# Altium PCB WUT-4-3-3.PcbDoc (part 2 of 4) (continued)
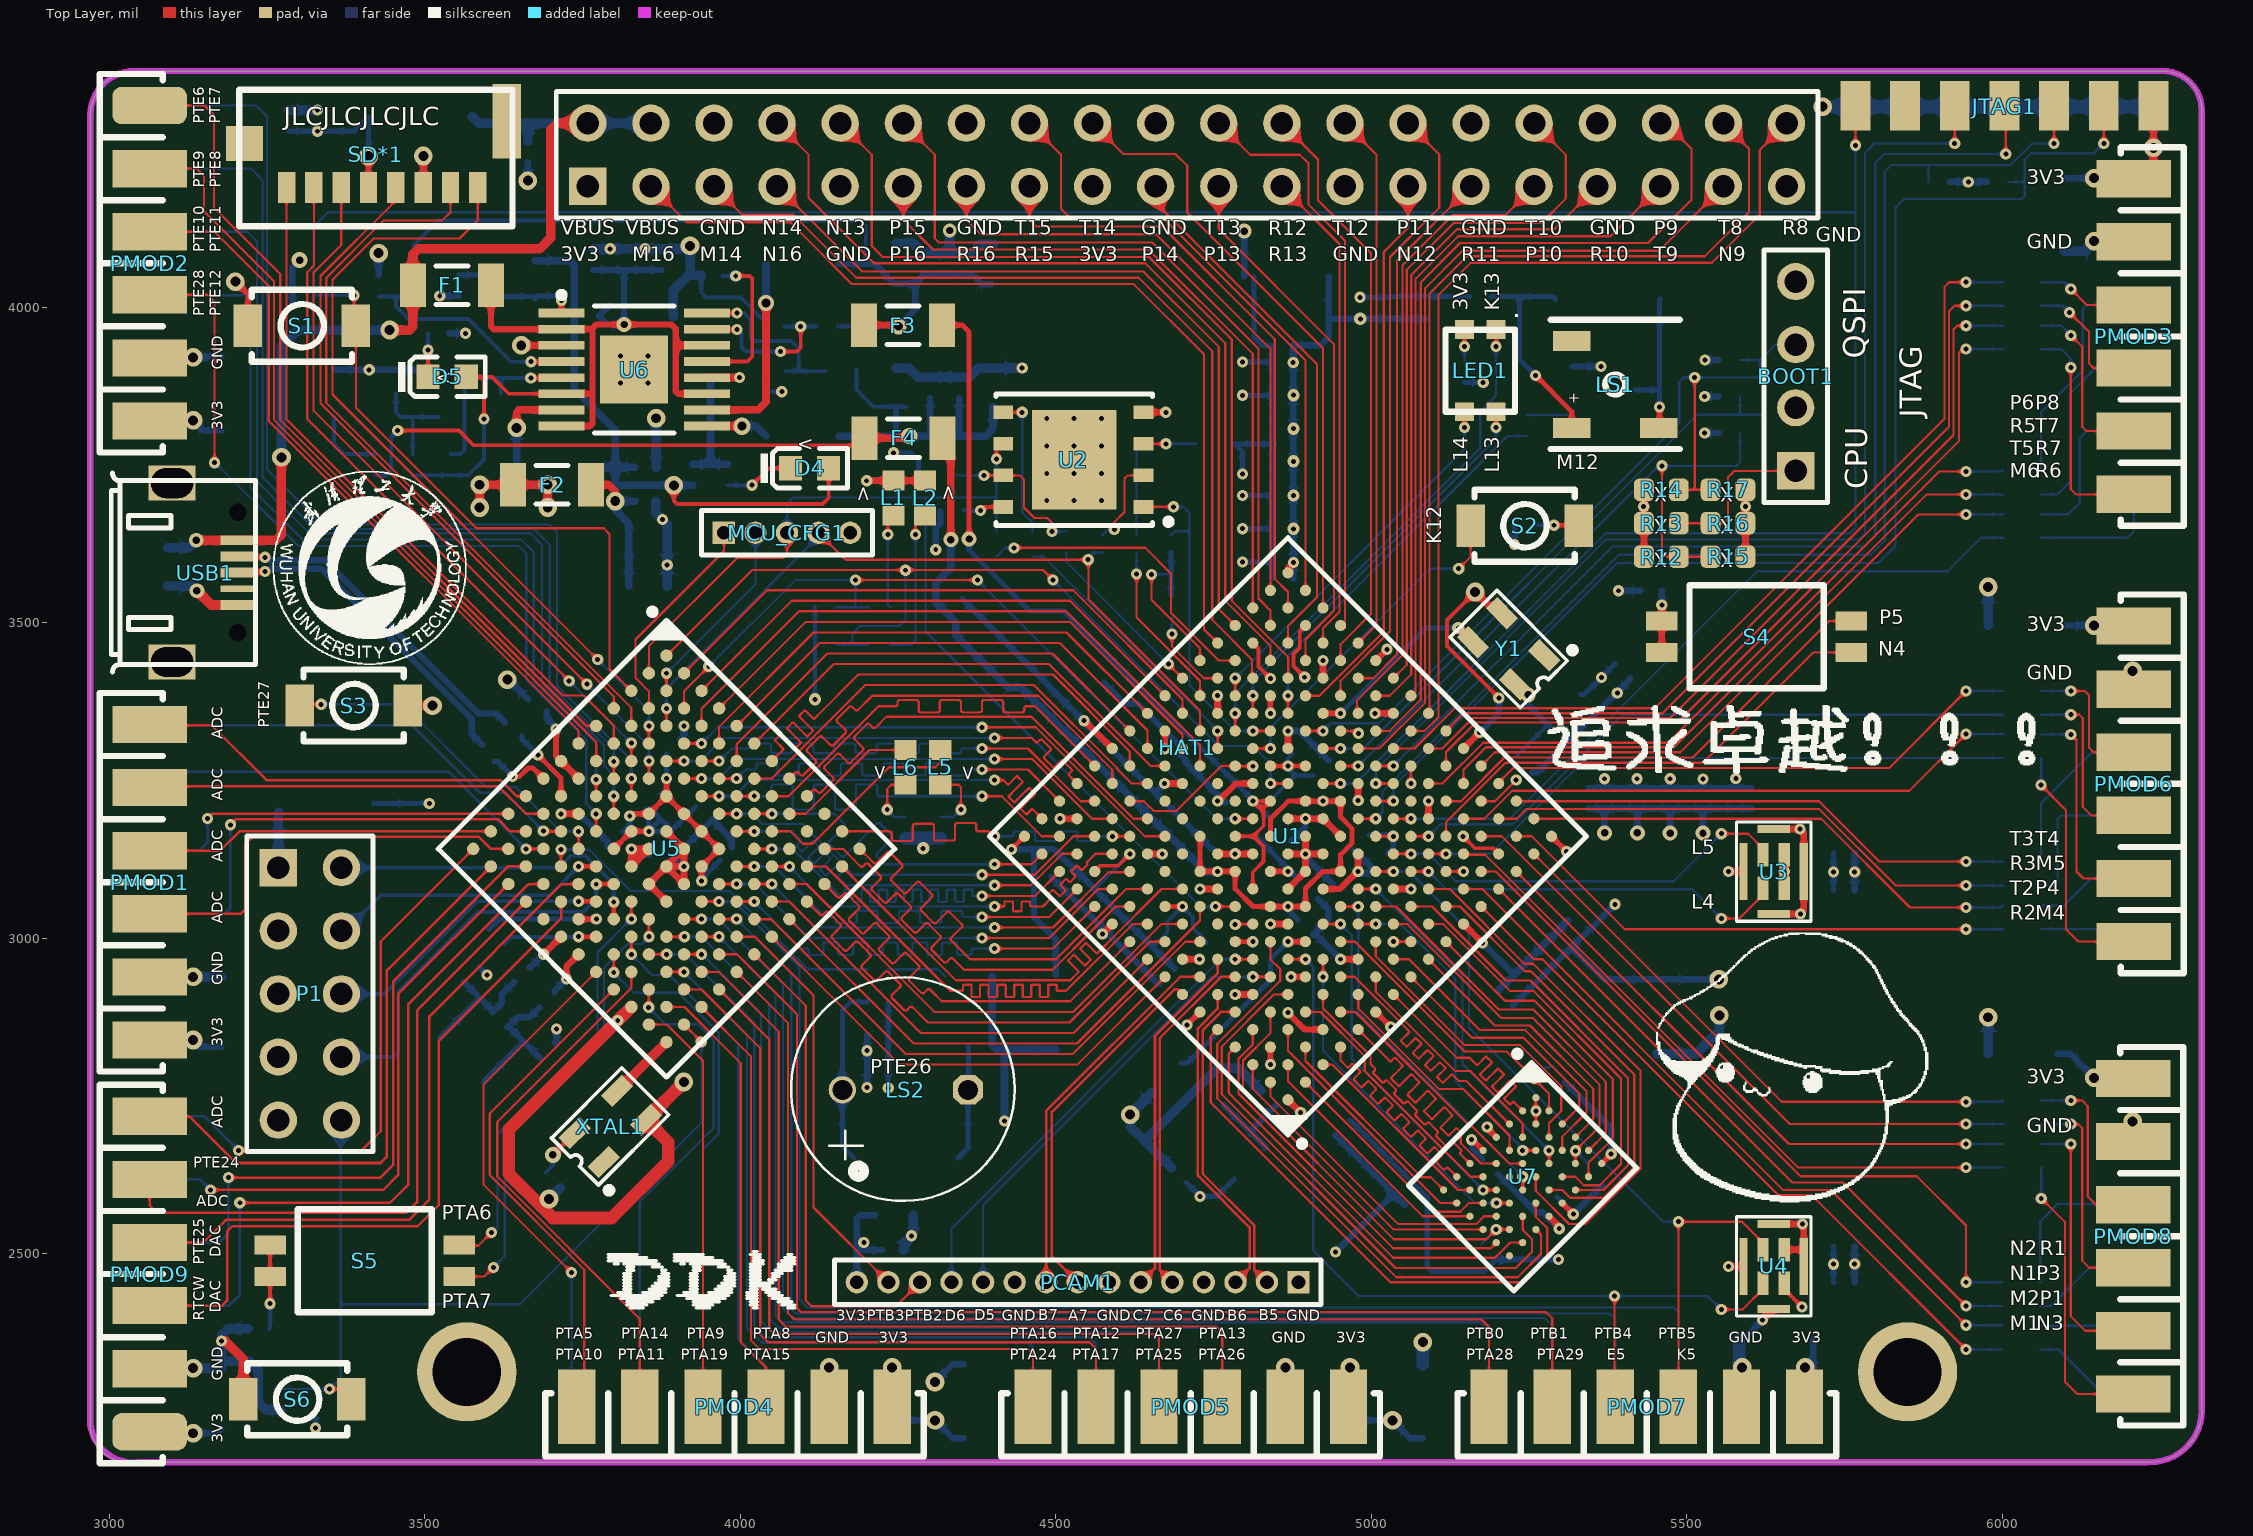
[diagram p0: Top Layer view]
## Nets (pads, with @x,y where several pads share a name; then routed paths per layer and width w, separated by ;. In a path a pad name is that pad's centre, name@x,y a point inside that pad or via, vN(x,y) a via of type N, cw(c..) or ccw(c..) an arc to the next point about the centre after c; other vN are vias at no path point) (continued)
BANK14_IO21: HAT1.28 U1.P11 | length 992.7
  Top Layer w3.5: U1.P11@4951.68,3384.55 4951.68,3408.25 5030,3486.58 5030,4080 5108,4158 5108,4242.5 HAT1.28@5058.5,4292
BANK14_IO22: HAT1.24 U1.R12 | length 930.4
  Top Layer w3.5: HAT1.24@4858.5,4292 4916,4234.5 4916,4169.92 5000,4085.92 5000,3514.61 4951.68,3466.29 U1.R12@4951.68,3440.23
BANK14_IO23: HAT1.26 U1.T12 | length 856.7
  Top Layer w3.5: HAT1.26@4958.5,4292 5008.5,4242 5008.5,3497.05 U1.T12@4979.52,3468.07
BANK14_IO24: HAT1.23 U1.R13 | length 772.5
  Top Layer w3.5: HAT1.23@4858.5,4192 4949.79,4100.71 4949.79,3517.48 4923.84,3491.53 U1.R13@4923.84,3468.07
BANK14_IO25: HAT1.22 U1.T13 | length 927.7
  Top Layer w3.5: HAT1.22@4758.5,4292 4808.5,4242 4887,4242 4901,4228 4901,4163 4958.5,4105.5 4958.5,3502.73 U1.T13@4951.68,3495.91
BANK14_IO26: HAT1.33 U1.R10 | length 1056.3
  Top Layer w3.5: U1.R10@5007.36,3384.55 5029.43,3384.55 5063.6,3418.72 5063.6,4051.6 5136,4124 5290.5,4124 HAT1.33@5358.5,4192
BANK14_IO27: HAT1.29 U1.R11 | length 867.6
  Top Layer w3.5: U1.R11@4979.52,3412.39 5003.22,3412.39 5041.01,3450.18 5041.01,4074.52 HAT1.29@5158.5,4192
BANK14_IO28: HAT1.37 U1.N9 | length 1332.9
  Top Layer w3.5: U1.N9@4979.52,3301.03 5013.12,3301.03 5085.64,3373.55 5085.64,4030.64 5145,4090 5456.5,4090 HAT1.37@5558.5,4192
BANK14_IO29: HAT1.36 U1.P9 | length 1383.5
  Top Layer w3.5: U1.P9@5007.36,3328.87 5029.43,3328.87 5078.64,3378.08 5078.64,4039.64 5141,4102 5439,4102 5508,4171 5508,4251 5467,4292 HAT1.36@5458.5,4292
BANK14_IO30: Rp1.5 U1.M6 | length 1150.4
  Top Layer w3.5: U1.M6@5035.19,3189.68 v1(5063.03,3189.68)
  Bottom Layer w3.5: v1(5063.03,3189.68) 5219.84,3189.68 5612.16,3582 5914,3582 5966.85,3634.85 Rp1.5@6001.18,3634.85
BANK14_IO31: U1.N6
BANK14_IO32: Rp2.8 U1.P8 | length 1408
  Top Layer w3.5: U1.P8@5035.19,3301.03 5068.8,3301.03 5132.43,3364.67 5449.67,3364.67 5909,3824 5909,4033 5916,4040 v1(5943,4040) v1@5944.06,4040
  Bottom Layer w3.5: v1@5938,4040 v1@5950.11,4040 ; v1(5943,4040) Rp2.8@6001.49,4040
BANK14_IO33: HAT1.40 U1.R8 | length 1446.5
  Top Layer w3.5: U1.R8@5063.03,3328.87 5085.11,3328.87 5107,3350.77 5107,4020 5158,4071 5540,4071 5616,4147 5616,4249.5 HAT1.40@5658.5,4292
BANK14_IO34: Rp2.7 U1.T7 | length 1274
  Top Layer w3.5: U1.T7@5118.71,3328.87 5146.55,3356.71 5461.71,3356.71 5916,3811 5916,3994 5924.59,4002.59 v1(5943,4002.59)
  Bottom Layer w3.5: v1@5938,4002.59 v1(5943,4002.59) Rp2.7@6001.49,4002.59
BANK14_IO35: HAT1.38 U1.T8 | length 1383.4
  Top Layer w3.5: U1.T8@5090.87,3356.71 5092.64,3358.48 5092.64,4021.64 5152,4081 5529,4081 5599,4151 5599,4251.5 HAT1.38@5558.5,4292
BANK14_IO36: HAT1.35 U1.T9 | length 1112.7
  Top Layer w3.5: U1.T9@5063.03,3384.55 5070.6,3392.11 5070.6,4045.6 5138,4113 5379.5,4113 HAT1.35@5458.5,4192
BANK14_IO37: HAT1.32 U1.T10 | length 1095
  Top Layer w3.5: U1.T10@5035.19,3412.39 5056.6,3433.79 5056.6,4059.6 5131,4134 5270,4134 5308.5,4172.5 5308.5,4242 HAT1.32@5258.5,4292
BANK14_IO38: Rp1.7 U1.R5 | length 1057.4
  Top Layer w3.5: U1.R5@5146.55,3245.36 5146.55,3267.43 5182.12,3303 5480,3303 5880.74,3703.74 v1(5943,3703.74)
  Bottom Layer w3.5: v1(5943,3703.74) Rp1.7@6001.18,3703.74
BANK14_IO39: Rp1.6 U1.T5 | length 992.1
  Top Layer w3.5: U1.T5@5174.39,3273.19 5196.17,3294.98 5489.98,3294.98 5867,3672 v1(5943,3672)
  Bottom Layer w3.5: v1(5943,3672) 6000.93,3672 Rp1.6@6001.18,3672.25
BANK14_IO40: Rp2.5 U1.R6 | length 1251.1
  Top Layer w3.5: U1.R6@5118.71,3273.19 5118.71,3295.27 5165.68,3342.24 5485.46,3342.24 5932,3788.78 5932,3928 5938,3934 v1(5943,3934)
  Bottom Layer w3.5: v1(5943,3934) 6001.19,3934 Rp2.5@6001.49,3933.7
BANK14_IO41: Rp2.6 U1.R7 | length 1286
  Top Layer w3.5: U1.R7@5090.87,3301.03 5112.95,3301.03 5161.15,3349.24 5474.24,3349.24 5923,3798 5923,3965 5929,3971 v1(5943,3971)
  Bottom Layer w3.5: v1(5943,3971) 6001.39,3971 Rp2.6@6001.49,3971.1
BANK14_IO42: Rp1.8 U1.P6 | length 1115.7
  Top Layer w3.5: U1.P6@5090.87,3245.36 5112.95,3245.36 5177.81,3310.22 5470.58,3310.22 5900.36,3740 v1(5943,3740)
  Bottom Layer w3.5: v1(5943,3740) 6000.03,3740 Rp1.8@6001.18,3741.15
BANK15_IO1: U1.D8
BANK15_IO2: U1.E11
BANK15_IO3: U1.D11
BANK15_IO4: U1.F12
BANK15_IO5: U1.F13
BANK15_IO6: U1.H11
BANK15_IO7: U1.G12
BANK15_IO8: U1.H12
BANK15_IO9: U1.G11
BANK34_IO1: U1.L5 U3.2 | length 654.7
  Top Layer w3.5: U1.L5@5035.19,3134 v1(5063.03,3134) ; v1(5555,3165.9) 5597.6,3165.9 5621.27,3142.23 U3.2@5621.27,3132.57
  Bottom Layer w3.5: v1(5063.03,3134) 5091,3134 5134.45,3090.55 5479.66,3090.55 v1(5555,3165.9)
BANK34_IO2: U1.L4 U3.1 | length 614.8
  Top Layer w3.5: U1.L4@5063.03,3106.16 v1(5090.87,3106.16) ; v1(5555,3031.64) 5583.64,3031.64 5621.27,3069.27 U3.1@5621.27,3079.43
  Bottom Layer w3.5: v1(5090.87,3106.16) 5119.03,3078 5508.64,3078 v1(5555,3031.64)
BANK34_IO3: Rp4.5 U1.M4 | length 973.5
  Top Layer w3.5: U1.M4@5090.87,3134 v1(5118.71,3134)
  Bottom Layer w3.5: v1(5118.71,3134) 5189.5,3134 5341.19,3285.7 Rp4.5@6001.49,3285.7
BANK34_IO4: Rp5.6 U1.M2 | length 1140
  Top Layer w3.5: U1.M2@5146.55,3078.32 5175.93,3078.32 5653.26,2601 5729,2601 v1(5943,2387)
  Bottom Layer w3.5: v1(5943,2387) 5998.76,2387 Rp5.6@5999.81,2385.95
BANK34_IO5: Rp5.5 U1.M1 | length 1116.2
  Top Layer w3.5: U1.M1@5174.39,3050.48 5258.03,2966.84 5271.71,2966.84 5645.55,2593 5698.55,2593 v1(5943,2348.55)
  Bottom Layer w3.5: v1(5943,2348.55) Rp5.5@5999.81,2348.55
BANK34_IO6: Rp6.5 U1.N3 | length 1060.9
  Top Layer w3.5: U1.N3@5146.55,3134 5147.82,3132.73 5180.82,3132.73 5676.86,2636.7 v1(5943,2636.7)
  Bottom Layer w3.5: v1(5943,2636.7) Rp6.5@6001.49,2636.7
BANK34_IO7: Rp5.8 U1.N2 | length 1147.9
  Top Layer w3.5: U1.N2@5174.39,3106.16 5197.49,3106.16 5680.66,2623 5865,2623 5943,2545 v1(5943,2455)
  Bottom Layer w3.5: v1(5943,2455) 5999.65,2455 Rp5.8@5999.81,2454.85
BANK34_IO8: Rp5.7 U1.N1 | length 1071.3
  Top Layer w3.5: U1.N1@5202.23,3078.32 5667.55,2613 5747.44,2613 v1(5943,2417.44)
  Bottom Layer w3.5: v1(5943,2417.44) Rp5.7@5999.81,2417.44
BANK34_IO9: Rp6.6 U1.P1 | length 950.4
  Top Layer w3.5: U1.P1@5230.07,3106.16 5662.23,2674 v1@5943,2674
  Bottom Layer w3.5: v1(5943,2674.1) Rp6.6@6001.49,2674.1
BANK34_IO10: Rp4.6 U1.P4 | length 911
  Top Layer w3.5: U1.P4@5146.55,3189.68 5179.33,3189.68 5223.55,3233.9 5852.9,3233.9 v1(5943,3324)
  Bottom Layer w3.5: v1(5943,3324) 6000.59,3324 Rp4.6@6001.49,3323.1
BANK34_IO11: Rp6.7 U1.P3 | length 1016.1
  Top Layer w3.5: U1.P3@5174.39,3161.84 5207.16,3161.84 5663,2706 v1(5943,2706)
  Bottom Layer w3.5: v1(5943,2706) 6001.09,2706 Rp6.7@6001.49,2705.59
BANK34_IO12: Rp4.7 U1.M5 | length 1018.3
  Top Layer w3.5: U1.M5@5063.03,3161.84 v1(5090.87,3161.84)
  Bottom Layer w3.5: v1(5090.87,3161.84) 5109.99,3180.95 5224.84,3180.95 5398.48,3354.59 Rp4.7@6001.49,3354.59
BANK34_IO13: S4.1 U1.N4 | length 775.8
  Top Layer w3.5: U1.N4@5118.71,3161.84 5118.71,3183.91 5213.08,3278.28 5526.05,3278.28 5700.77,3453 S4.1@5761,3453
BANK34_IO14: Rp3.5 U1.R2 | length 832.2
  Top Layer w3.5: U1.R2@5230.07,3161.84 5254.53,3161.84 5401.89,3014.48 v1(5943,3014.48)
  Bottom Layer w3.5: v1(5943,3014.48) 6000.96,3014.48 Rp3.5@6001.18,3014.7
BANK34_IO15: Rp6.8 U1.R1 | length 907.2
  Top Layer w3.5: U1.R1@5257.91,3134 5650.9,2741 v1(5943,2741)
  Bottom Layer w3.5: v1(5943,2741) 5999.5,2741 Rp6.8@6001.49,2743
BANK34_IO16: Rp3.7 U1.R3 | length 855.8
  Top Layer w3.5: U1.R3@5202.23,3189.68 5230.73,3189.68 5246.33,3205.29 5709.71,3205.29 5831,3084 v1(5943,3084)
  Bottom Layer w3.5: v1(5943,3084) 6000.77,3084 Rp3.7@6001.18,3083.59
BANK34_IO17: Rp3.6 U1.T2 | length 802.8
  Top Layer w3.5: U1.T2@5257.91,3189.68 5713.51,3189.68 5854.18,3049 v1(5943,3049)
  Bottom Layer w3.5: v1(5943,3049) 5998.08,3049 Rp3.6@6001.18,3052.1
BANK34_IO18: Rp4.8 U1.T4 | length 861
  Top Layer w3.5: U1.T4@5202.23,3245.36 5202.23,3247.01 5225.06,3269.84 5820.84,3269.84 v1(5943,3392)
  Bottom Layer w3.5: v1(5943,3392) Rp4.8@6001.49,3392
BANK34_IO19: Rp3.8 U1.T3 | length 811.1
  Top Layer w3.5: U1.T3@5230.07,3217.52 5709.98,3217.52 5805.49,3122 v1(5943,3122)
  Bottom Layer w3.5: v1(5943,3122) 6000.17,3122 Rp3.8@6001.18,3121
BANK34_IO20: S4.2 U1.P5 | length 760.5
  Top Layer w3.5: U1.P5@5118.71,3217.52 5142.42,3217.52 5211.53,3286.63 5509.63,3286.63 5726,3503 S4.2@5761,3503
BANK35_IO7: PCAM1.12 U1.D6 | length 739.4
  Top Layer w3.5: v1@4785,2966.84 4785.13,2966.97 U1.D6@4812.48,2966.97
  Bottom Layer w3.5: PCAM1.12@4334.86,2455 4334.86,2539.86 4761.84,2966.84 v1@4785,2966.84
  other v1: 4784.65,2966.97
BANK35_IO8: PCAM1.11 U1.D5 | length 727.4
  Top Layer w3.5: v1@4812,2939 4812.13,2939.13 U1.D5@4840.32,2939.13
  Bottom Layer w3.5: PCAM1.11@4384.86,2455 4384.86,2576.86 4747,2939 v1@4812,2939
  other v1: 4812.48,2939.13
BANK35_IO9: PMOD7.4 U1.E5 U4.1 | length 1444.1
  Top Layer w3.5: U1.E5@4868.16,2966.97 v1(4896,2966.97) ; v1(5386,2433) 5386,2259 PMOD7.4@5387,2258 ; v1(5555,2412) 5589,2412 5621.27,2444.27 U4.1@5621.27,2453.43
  Bottom Layer w3.5: v1(4896,2966.97) 4908.23,2954.74 4908.23,2505.42 4980.66,2433 v1(5386,2433) 5534,2433 v1(5555,2412)
BANK35_IO10: PMOD7.3 U1.K5 U4.2 | length 1251.7
  Top Layer w3.5: U1.K5@5007.36,3106.16 v1(5035.19,3106.16) ; PMOD7.3@5487,2258 v1(5487,2551) 5588,2551 5621.27,2517.73 U4.2@5621.27,2506.57
  Bottom Layer w3.5: v1(5035.19,3106.16) 5060.84,3106.16 5155.3,3011.7 5155.3,2858.3 5462.6,2551 v1(5487,2551)
CAN0_RX: PMOD5.9 U5.J9 | length 1544.7
  Top Layer w3.5: U5.J9@3883.16,3002.64 v1(3911.71,3002.64)
  Bottom Layer w3.5: v1(3911.71,3002.64) 3938.84,3002.64 4046,2895.48 4046,2398 4061,2383 4748.34,2383 4764,2367.34 PMOD5.9@4764,2258
CAN0_TX: PMOD5.11 U5.K9 | length 1344.9
  Top Layer w3.5: U5.K9@3855.32,2974.81 v1(3883.55,2974.81)
  Bottom Layer w3.5: v1(3883.55,2974.81) 3913.45,2974.81 4022.36,2865.9 4022.36,2385.57 4039.93,2368 4553,2368 4564,2357 PMOD5.11@4564,2258
CLK_OUT: U1.D13 U5.A11 | length 601.6
  Top Layer w3.5: U5.A11@4161.55,3169.68 4223.43,3169.68 4236.83,3169.68 cw(c4236.83,3166.33) 4240.18,3166.33 4240.18,3157.76 ccw(c4243.53,3157.76) 4243.53,3154.41 4270.33,3154.41 ccw(c4270.33,3157.76) 4273.68,3157.76 4273.68,3169.68 4273.68,3178.2 cw(c4277.03,3178.2) 4277.03,3181.55 4303.83,3181.55 cw(c4303.83,3178.2) 4307.18,3178.2 4307.18,3169.68 4307.18,3158.31 ccw(c4310.53,3158.31) 4310.53,3154.96 4337.33,3154.96 ccw(c4337.33,3158.31) 4340.68,3158.31 4340.68,3169.68 4340.68,3179.57 cw(c4344.03,3179.57) 4344.03,3182.92 4370.83,3182.92 cw(c4370.83,3179.57) 4374.18,3179.57 4374.18,3173.03 ccw(c4377.53,3173.03) 4377.53,3169.68 4393,3169.68 v1(4403.16,3161.84) ; v1(4589.78,3161.84) U1.D13@4617.61,3161.84
  Bottom Layer w3.5: v1(4403.16,3161.84) 4417.14,3161.84 4430.54,3161.84 ccw(c4430.54,3165.19) 4433.89,3165.19 4433.89,3166.17 cw(c4437.24,3166.17) 4437.24,3169.52 4464.04,3169.52 cw(c4464.04,3166.17) 4467.39,3166.17 4467.39,3161.84 4467.39,3157.51 ccw(c4470.74,3157.51) 4470.74,3154.16 4497.54,3154.16 ccw(c4497.54,3157.51) 4500.89,3157.51 4500.89,3161.84 4500.89,3166.17 cw(c4504.24,3166.17) 4504.24,3169.52 4531.04,3169.52 cw(c4531.04,3166.17) 4534.39,3166.17 4534.39,3161.84 4534.39,3157.51 ccw(c4537.74,3157.51) 4537.74,3154.16 4564.54,3154.16 ccw(c4564.54,3157.51) 4567.89,3157.51 4567.89,3158.49 cw(c4571.24,3158.49) 4571.24,3161.84 4577,3161.84 v1(4589.78,3161.84)
DIN: MCU_CFG1.4 R23.1 U1.J14 U5.C3 | length 1225.5
  Top Layer w3.5: U5.C3@3883.16,3336.71 v1(3883.16,3364.55) ; MCU_CFG1.4@4124.22,3642.84 4166.84,3600.22 v1(4551.67,3600.22) 4552.1,3599.79 4552.1,3537.71 4728.97,3360.84 U1.J14@4728.97,3328.87
  Bottom Layer w3.5: v1(3883.16,3364.55) 3883.16,3395.91 4124.22,3636.98 MCU_CFG1.4@4124.22,3642.84 ; v1@4552.1,3599.79 4552.1,3604.63 4558.74,3611.27 R23.1@4574.17,3611.27
DONE: R3.1 R7.2 U1.H10 U5.B3 | length 1253.8
  Top Layer w3.5: U5.B3@3911,3364.55 3911,3391.61 v1(3950.22,3430.84) ; v1(4183,3567.84) v1(4376.22,3567.84) ; v1(4784.65,3189.68) U1.H10@4812.48,3189.68
  Bottom Layer w3.5: v1(3950.22,3430.84) 4087.22,3567.84 v1(4183,3567.84) 4183,3525.85 4184,3524.85 ; R3.1@4152.1,3524.85 4184,3524.85 ; R7.2@4204.27,3524.85 4184,3524.85 ; v1(4376.22,3567.84) 4754.38,3189.68 v1(4784.65,3189.68)
EN2: Q3.3 R43.1 U6.5 | length 314.1
  Top Layer w6: v1(3668.17,3888.17) 3716.23,3888.17 U6.5@3716.84,3888.79
  Bottom Layer w6: R43.1@3541.43,3767.54 3556.96,3767.54 3563.09,3773.67 3563.09,3883.09 3568.17,3888.17 3620.65,3888.17 ; Q3.3@3620.65,3863.81 3620.65,3888.17 ; v1(3668.17,3888.17) 3620.65,3888.17
EN3: R44.1 R53.2 U6.4 | length 370.2
  Top Layer w6: v1(3668.34,3914) U6.4@3716.46,3914
  Top Layer w8: U6.4@3716.46,3914 U6.4@3716.84,3914.38
  Bottom Layer w6: R53.2@3427.04,4017.54 3454.42,4017.54 ; R44.1@3481.81,4017.54 3454.42,4017.54 ; v1(3668.34,3914) 3637,3914 3569.36,3981.64 3474.15,3981.64 3454.42,4001.36 3454.42,4017.54
  Bottom Layer w8: R44.1@3481.81,4017.54 R44.1@3482.17,4017.91
FB1: R42.1 R46.2 U6.16 | length 285
  Top Layer w6: U6.16@3947.16,3991.15 v1@3996,3991.15
  Bottom Layer w6: v1@3996,3991 4006.26,3991 4015.86,3981.41 4015.86,3952.82 4021.69,3946.99 4080.96,3946.99 4092.76,3935.18 4092.76,3899 ; R46.2@4071.73,3899 R42.1@4135.1,3899
  other v1: 3995,3991
FB2: R40.1 R47.2 U6.15 | length 263.5
  Top Layer w6: U6.15@3947.16,3965.56 3947.72,3965 v1(3995,3965) ; v1(4064,3930) 4089.95,3930 4096,3936.05 v1(4096,3970)
  Bottom Layer w6: v1(3995,3965) 4002,3958 4002,3936 4008,3930 v1(4064,3930) ; R47.2@4070.73,3970 v1(4096,3970) R40.1@4121.27,3970
FB3: R41.1 R48.2 U6.1 | length 134.4
  Top Layer w8: U6.1@3716.84,3991.15 v1(3716.84,4010.79)
  Bottom Layer w8: R48.2@3609,4017.27 3671.42,4017.27 R41.1@3675,4013.69 R41.1@3681.01,4019.69 ; R41.1@3681.01,4017.91 3709.73,4017.91 v1(3716.84,4010.79)
FB_AD0: U1.J15 U5.A2 | length 938.4
  Top Layer w3.5: U5.A2@3911,3420.23 4042.61,3551.84 4528.07,3551.84 4701.13,3378.78 U1.J15@4701.13,3356.71
FB_AD1: U1.J16 U5.A3 | length 856.2
  Top Layer w3.5: U5.A3@3938.84,3392.39 4081.57,3535.12 4523.16,3535.12 4523.16,3534.68 U1.J16@4673.29,3384.55
FB_AD2: U1.H14 U5.A4 | length 887.3
  Top Layer w3.5: U5.A4@3966.68,3364.55 4103.82,3501.69 4522.54,3501.69 4701.13,3323.11 U1.H14@4701.13,3301.03
FB_AD3: U1.H13 U5.B4 | length 1002.2
  Top Layer w3.5: U5.B4@3938.84,3336.71 3938.84,3364 4093.25,3518.41 4516.59,3518.41 4728.97,3306.03 U1.H13@4728.97,3273.19
FB_AD4: U1.E12 U5.C4 | length 844.5
  Top Layer w3.5: U5.C4@3911,3308.87 v1(3938.84,3308.87) ; v1(4383.16,3334.54) 4468.62,3334.54 4641.32,3161.84 U1.E12@4673.29,3161.84
  Bottom Layer w3.5: v1(3938.84,3308.87) 3964.5,3334.54 v1(4383.16,3334.54)
FB_AD5: U1.B15 U5.C7 | length 717.3
  Top Layer w3.5: U5.C7@3994.52,3225.36 v1(4022.35,3225.36) ; v1(4383.16,3225.35) 4414.65,3225.35 4478.16,3161.84 U1.B15@4506.26,3161.84
  Bottom Layer w3.5: v1(4022.35,3225.36) 4033,3225.35 4046.4,3225.35 ccw(c4046.4,3228.7) 4049.75,3228.7 4049.75,3240.61 cw(c4053.1,3240.61) 4053.1,3243.96 4079.9,3243.96 cw(c4079.9,3240.61) 4083.25,3240.61 4083.25,3225.35 4083.25,3207.87 ccw(c4086.6,3207.87) 4086.6,3204.52 4113.4,3204.52 ccw(c4113.4,3207.87) 4116.75,3207.87 4116.75,3225.35 4116.75,3240.61 cw(c4120.1,3240.61) 4120.1,3243.96 4146.9,3243.96 cw(c4146.9,3240.61) 4150.25,3240.61 4150.25,3225.35 4150.25,3207.11 ccw(c4153.6,3207.11) 4153.6,3203.76 4180.4,3203.76 ccw(c4180.4,3207.11) 4183.75,3207.11 4183.75,3225.35 4183.75,3240.61 cw(c4187.1,3240.61) 4187.1,3243.96 4213.9,3243.96 cw(c4213.9,3240.61) 4217.25,3240.61 4217.25,3228.7 ccw(c4220.6,3228.7) 4220.6,3225.35 4221.35,3225.35 v1(4383.16,3225.35)
FB_AD6: U1.C14 U5.D7 | length 660.6
  Top Layer w3.5: U5.D7@3966.68,3197.52 v1(3994.52,3197.52) ; v1(4383.16,3100.81) 4467.3,3100.81 4528.33,3161.84 U1.C14@4561.93,3161.84
  Bottom Layer w3.5: v1(3994.52,3197.52) 4018.98,3197.52 4035.13,3181.36 4098.64,3181.36 4179.19,3100.81 v1(4383.16,3100.81)
FB_AD7: U1.E15 U5.A8 | length 722
  Top Layer w3.5: U5.A8@4078.03,3253.19 4087.51,3262.67 cw(c4089.88,3260.3) 4092.25,3262.67 4095.8,3259.11 ccw(c4098.17,3261.48) 4100.54,3259.11 4119.49,3278.06 ccw(c4117.12,3280.43) 4119.49,3282.8 4113.57,3288.73 4106.62,3295.67 cw(c4108.99,3298.04) 4106.62,3300.4 4125.57,3319.36 cw(c4127.94,3316.99) 4130.31,3319.36 4137.25,3312.41 4143.18,3306.49 ccw(c4145.55,3308.86) 4147.92,3306.49 4166.87,3325.44 ccw(c4164.5,3327.81) 4166.87,3330.18 4160.94,3336.1 4154,3343.04 cw(c4156.37,3345.41) 4154,3347.78 4172.95,3366.73 cw(c4175.32,3364.36) 4177.69,3366.73 4182.26,3362.16 ccw(c4184.63,3364.53) 4187,3362.16 4208.32,3383.48 4209.52,3384.68 4210,3384.68 4472.52,3384.68 4589.77,3267.43 U1.E15@4589.77,3245.36
FB_AD8: U1.E16 U5.B8 | length 706.5
  Top Layer w3.5: U5.B8@4050.19,3225.36 4076.68,3225.36 4219.29,3367.97 4233,3367.97 4246.06,3367.97 ccw(c4246.06,3371.32) 4249.41,3371.32 4249.41,3374.33 cw(c4252.76,3374.33) 4252.76,3377.68 4279.56,3377.68 cw(c4279.56,3374.33) 4282.91,3374.33 4282.91,3367.97 4282.91,3361.6 ccw(c4286.26,3361.6) 4286.26,3358.25 4313.06,3358.25 ccw(c4313.06,3361.6) 4316.41,3361.6 4316.41,3367.97 4316.41,3374.33 cw(c4319.76,3374.33) 4319.76,3377.68 4346.56,3377.68 cw(c4346.56,3374.33) 4349.91,3374.33 4349.91,3367.97 4349.91,3361.6 ccw(c4353.26,3361.6) 4353.26,3358.25 4380.06,3358.25 ccw(c4380.06,3361.6) 4383.41,3361.6 4383.41,3367.97 4383.41,3374.33 cw(c4386.76,3374.33) 4386.76,3377.68 4413.56,3377.68 cw(c4413.56,3374.33) 4416.91,3374.33 4416.91,3367.97 4416.91,3361.6 ccw(c4420.26,3361.6) 4420.26,3358.25 4447.06,3358.25 ccw(c4447.06,3361.6) 4450.41,3361.6 4450.41,3364.62 cw(c4453.76,3364.62) 4453.76,3367.97 4467.16,3367.97 U1.E16@4561.93,3273.19
FB_AD9: U1.A15 U5.C8 | length 647.4
  Top Layer w3.5: U5.C8@4022.36,3197.52 v1(4050.19,3197.52) ; v1(4403.16,3117.53) 4461.95,3117.53 U1.A15@4478.42,3134
  Bottom Layer w3.5: v1(4050.19,3197.52) 4149.73,3197.52 4165.03,3182.21 cw(c4162.66,3179.84) 4165.03,3177.47 4141.49,3153.93 ccw(c4143.86,3151.56) 4141.49,3149.19 4160.44,3130.24 ccw(c4162.81,3132.61) 4165.17,3130.24 4191.09,3156.15 4217.01,3182.07 cw(c4219.37,3179.7) 4221.74,3182.07 4240.69,3163.12 cw(c4238.32,3160.75) 4240.69,3158.38 4217.15,3134.84 ccw(c4219.52,3132.47) 4217.15,3130.1 4226.62,3120.62 4229.72,3117.53 v1(4403.16,3117.53)
FB_AD10: U1.B14 U5.D8 | length 734
  Top Layer w3.5: U5.D8@3994.52,3169.68 v1(4022.36,3169.68) ; v1(4403.16,3084.1) 4460.49,3084.1 4510.39,3134 U1.B14@4534.1,3134
  Bottom Layer w3.5: v1(4022.36,3169.68) 4082.48,3169.68 4087.26,3164.9 4095.85,3156.31 cw(c4094.89,3155.36) 4095.85,3154.4 4089.47,3148.03 ccw(c4090.42,3147.07) 4089.47,3146.12 4097.11,3138.48 ccw(c4098.06,3139.44) 4099.02,3138.48 4106.35,3145.81 4114.36,3153.83 cw(c4115.32,3152.87) 4116.27,3153.83 4123.91,3146.19 cw(c4122.96,3145.24) 4123.91,3144.28 4115.89,3136.27 4108.56,3128.93 ccw(c4109.52,3127.98) 4108.56,3127.03 4116.2,3119.39 ccw(c4117.15,3120.34) 4118.11,3119.39 4125.44,3126.72 4133.46,3134.74 cw(c4134.41,3133.78) 4135.37,3134.74 4143,3127.1 cw(c4142.05,3126.15) 4143,3125.19 4134.99,3117.18 4127.65,3109.84 ccw(c4128.61,3108.89) 4127.65,3107.93 4135.29,3100.3 ccw(c4136.24,3101.25) 4137.2,3100.3 4144.53,3107.63 4152.55,3115.65 cw(c4153.5,3114.69) 4154.46,3115.65 4162.09,3108.01 cw(c4161.14,3107.05) 4162.09,3106.1 4155.03,3099.04 ccw(c4155.99,3098.08) 4155.03,3097.13 4163.62,3088.54 4168.06,3084.1 v1(4403.16,3084.1)
FB_AD11: U1.E13 U5.A9 | length 743.9
  Top Layer w3.5: U5.A9@4105.87,3225.36 4115.35,3234.83 cw(c4117.72,3232.46) 4120.08,3234.83 4123.3,3231.61 ccw(c4125.67,3233.98) 4128.04,3231.61 4146.99,3250.56 ccw(c4144.62,3252.93) 4146.99,3255.3 4141.4,3260.89 4134.12,3268.17 cw(c4136.49,3270.54) 4134.12,3272.9 4153.07,3291.86 ; 4153.07,3291.86 cw(c4155.44,3289.49) 4157.81,3291.86 4165.09,3284.58 4170.68,3278.99 ccw(c4173.05,3281.36) 4175.42,3278.99 4194.37,3297.94 ccw(c4192,3300.31) 4194.37,3302.68 4188.78,3308.26 4181.5,3315.54 cw(c4183.87,3317.91) 4181.5,3320.28 4200.45,3339.23 cw(c4202.82,3336.86) 4205.19,3339.23 4210.1,3334.32 ccw(c4212.47,3336.69) 4214.84,3334.32 4231.77,3351.25 4232,3351.25 4461.8,3351.25 4623.38,3189.68 U1.E13@4645.45,3189.68
FB_AD12: U1.C11 U5.A12 | length 737.3
  Top Layer w3.5: U5.A12@4189.39,3141.84 4202,3129.23 4211.48,3119.75 ccw(c4213.84,3122.12) 4216.21,3119.75 4232.69,3136.23 cw(c4235.06,3133.86) 4237.43,3136.23 4256.38,3117.28 cw(c4254.01,3114.91) 4256.38,3112.54 4239.9,3096.06 ccw(c4242.27,3093.7) 4239.9,3091.33 4258.85,3072.38 ccw(c4261.22,3074.74) 4263.59,3072.38 4280.06,3088.85 cw(c4282.43,3086.48) 4284.8,3088.85 4303.75,3069.9 cw(c4301.38,3067.53) 4303.75,3065.16 4287.28,3048.69 ccw(c4289.65,3046.32) 4287.28,3043.95 4306.23,3025 ccw(c4308.6,3027.37) 4310.97,3025 4327.44,3041.47 cw(c4329.81,3039.11) 4332.18,3041.47 4351.13,3022.52 cw(c4348.76,3020.16) 4351.13,3017.79 4334.65,3001.31 ccw(c4337.02,2998.94) 4334.65,2996.57 4351.74,2979.48 4364.14,2967.09 4500.61,2967.09 4611.85,3078.32 U1.C11@4645.45,3078.32
FB_AD13: U1.B11 U5.B11 | length 736.9
  Top Layer w3.5: U5.B11@4133.71,3141.84 4163.16,3141.84 4181.05,3123.95 4190.53,3114.47 ccw(c4192.9,3116.84) 4195.27,3114.47 4198.69,3117.9 cw(c4201.06,3115.53) 4203.43,3117.9 4222.38,3098.95 cw(c4220.01,3096.58) 4222.38,3094.21 4216.59,3088.41 4209.18,3081.01 ccw(c4211.55,3078.64) 4209.18,3076.27 4228.13,3057.32 ccw(c4230.5,3059.69) 4232.87,3057.32 4240.27,3064.73 4246.07,3070.52 cw(c4248.44,3068.15) 4250.81,3070.52 4269.76,3051.57 cw(c4267.39,3049.2) 4269.76,3046.83 4263.96,3041.04 4256.55,3033.63 ccw(c4258.92,3031.26) 4256.55,3028.89 4275.51,3009.94 ccw(c4277.87,3012.31) 4280.24,3009.94 4287.65,3017.35 4293.45,3023.15 cw(c4295.82,3020.78) 4298.18,3023.15 4317.13,3004.2 cw(c4314.77,3001.83) 4317.13,2999.46 4311.34,2993.66 4303.93,2986.25 ccw(c4306.3,2983.88) 4303.93,2981.52 4322.88,2962.57 ccw(c4325.25,2964.93) 4327.62,2962.57 4332.66,2967.6 cw(c4335.03,2965.24) 4337.4,2967.6 4354,2951 4354.63,2950.37 4490,2950.37 4495.43,2950.37 4558.39,3013.34 4558.39,3013.47 4595.41,3050.48 U1.B11@4617.61,3050.48
FB_AD14: U1.D10 U5.B12 | length 767.3
  Top Layer w3.5: U5.B12@4161.55,3114 4341.89,2933.66 4523.16,2933.66 4523.5,2934 4527.23,2937.72 4535.82,2946.31 ccw(c4534.86,2947.27) 4535.82,2948.22 4520.45,2963.59 cw(c4521.41,2964.54) 4520.45,2965.5 4528.09,2973.14 cw(c4529.04,2972.18) 4530,2973.14 4545.36,2957.77 ccw(c4546.32,2958.72) 4547.27,2957.77 4554.91,2965.41 ccw(c4553.95,2966.36) 4554.91,2967.32 4539.54,2982.68 cw(c4540.5,2983.64) 4539.54,2984.59 4547.18,2992.23 cw(c4548.13,2991.27) 4549.09,2992.23 4564.46,2976.86 ccw(c4565.41,2977.82) 4566.36,2976.86 4574.96,2985.45 4579.73,2990.23 4581.73,2992.23 4586.5,2997 4667.83,3078.32 U1.D10@4701.13,3078.32
FB_AD15: U1.B9 U5.D12 | length 829.3
  Top Layer w3.5: U5.D12@4105.87,3058.32 4117,3047.19 4126.48,3037.72 ccw(c4128.84,3040.09) 4131.21,3037.72 4135.04,3041.55 cw(c4137.41,3039.18) 4139.78,3041.55 4158.73,3022.6 cw(c4156.36,3020.23) 4158.73,3017.86 4152.53,3011.66 4145.87,3005 ccw(c4148.23,3002.63) 4145.87,3000.26 4164.82,2981.31 ccw(c4167.19,2983.68) 4169.55,2981.31 4176.22,2987.97 4182.42,2994.17 cw(c4184.79,2991.8) 4187.16,2994.17 4206.11,2975.22 cw(c4203.74,2972.85) 4206.11,2970.48 4199.91,2964.29 4193.24,2957.62 ccw(c4195.61,2955.25) 4193.24,2952.88 4212.19,2933.93 ccw(c4214.56,2936.3) 4216.93,2933.93 4223.6,2940.6 4229.8,2946.8 cw(c4232.16,2944.43) 4234.53,2946.8 4253.48,2927.85 cw(c4251.11,2925.48) 4253.48,2923.11 4247.28,2916.91 4240.62,2910.24 ccw(c4242.99,2907.87) 4240.62,2905.51 4259.57,2886.56 ccw(c4261.94,2888.92) 4264.31,2886.56 4268.6,2890.85 cw(c4270.97,2888.48) 4273.34,2890.85 4294.66,2869.53 4295.6,2868.6 4297.4,2866.8 4522.04,2866.8 4589.62,2934.37 4589.62,2934.84 4649.58,2994.81 U1.B9@4673.29,2994.81
FB_AD16: U1.A13 U5.E9 | length 687.6
  Top Layer w3.5: U5.E9@3994.52,3114 v1(4022.36,3114) ; v1(4383.16,3033.95) 4489.72,3033.95 U1.A13@4534.1,3078.32
  Bottom Layer w3.5: v1(4022.36,3114) 4054.33,3114 4134.38,3033.95 4147.78,3033.95 cw(c4147.78,3030.6) 4151.13,3030.6 4151.13,3027.58 ccw(c4154.48,3027.58) 4154.48,3024.23 4181.28,3024.23 ccw(c4181.28,3027.58) 4184.63,3027.58 4184.63,3033.95 4184.63,3040.32 cw(c4187.98,3040.32) 4187.98,3043.67 4214.78,3043.67 cw(c4214.78,3040.32) 4218.13,3040.32 4218.13,3033.95 4218.13,3027.58 ccw(c4221.48,3027.58) 4221.48,3024.23 4248.28,3024.23 ccw(c4248.28,3027.58) 4251.63,3027.58 4251.63,3033.95 4251.63,3040.32 cw(c4254.98,3040.32) 4254.98,3043.67 4281.78,3043.67 cw(c4281.78,3040.32) 4285.13,3040.32 4285.13,3033.95 4285.13,3027.58 ccw(c4288.48,3027.58) 4288.48,3024.23 4315.28,3024.23 ccw(c4315.28,3027.58) 4318.63,3027.58 4318.63,3033.95 4318.63,3040.32 cw(c4321.98,3040.32) 4321.98,3043.67 4348.78,3043.67 cw(c4348.78,3040.32) 4352.13,3040.32 4352.13,3037.3 ccw(c4355.48,3037.3) 4355.48,3033.95 4367,3033.95 v1(4383.16,3033.95)
FB_AD17: U1.C12 U5.E10 | length 660.6
  Top Layer w3.5: U5.E10@4022.36,3086.16 v1(4050.19,3086.16) ; v1(4403.16,3017.24) 4495.93,3017.24 4583.59,3104.89 4616.34,3104.89 U1.C12@4617.61,3106.16
  Bottom Layer w3.5: v1(4050.19,3086.16) 4119.12,3017.24 v1(4403.16,3017.24)
FB_AD18: U1.A9 U5.E11 | length 729.9
  Top Layer w3.5: U5.E11@4050.19,3058.32 4077.91,3058.32 4286.15,2850.08 4528.56,2850.08 U1.A9@4645.45,2966.97
FB_AD19: U1.D9 U5.E12 | length 835.4
  Top Layer w3.5: U5.E12@4078.03,3030.48 4275.15,2833.36 4533.92,2833.36 4728.97,3028.41 U1.D9@4728.97,3050.48